# KiCad board Zazu.kicad_pcb
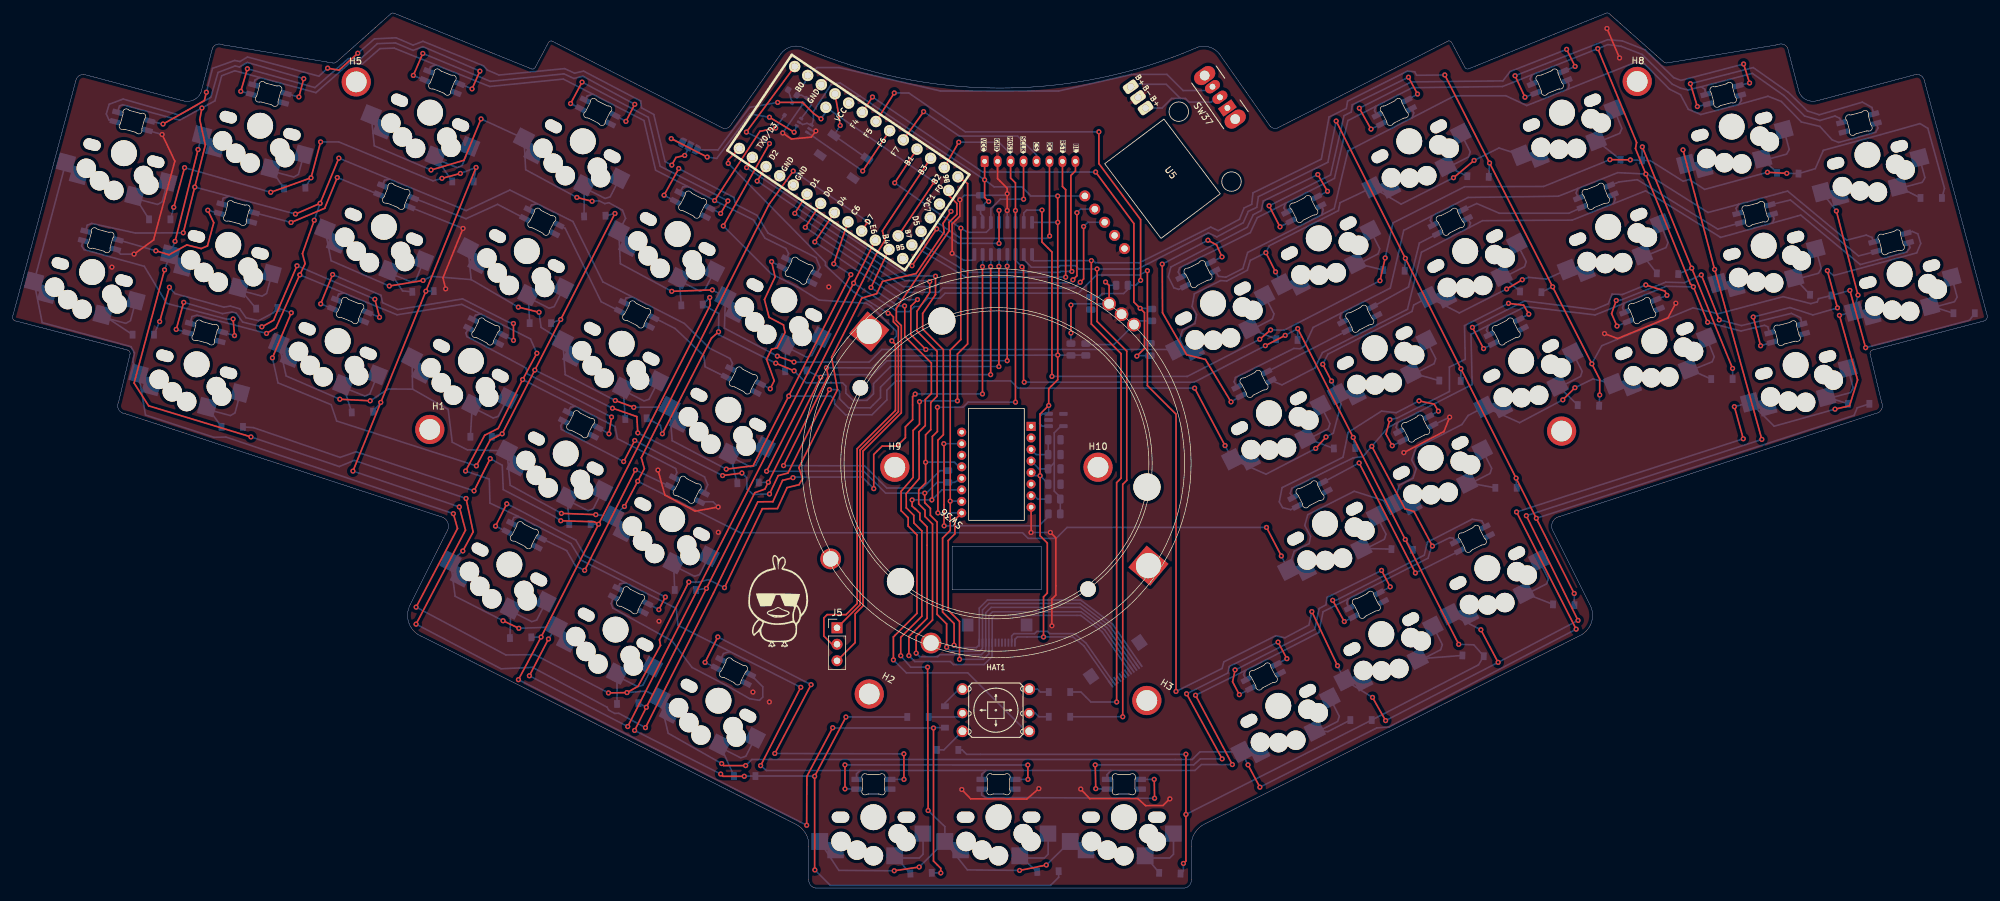
[diagram p0: board, top side]
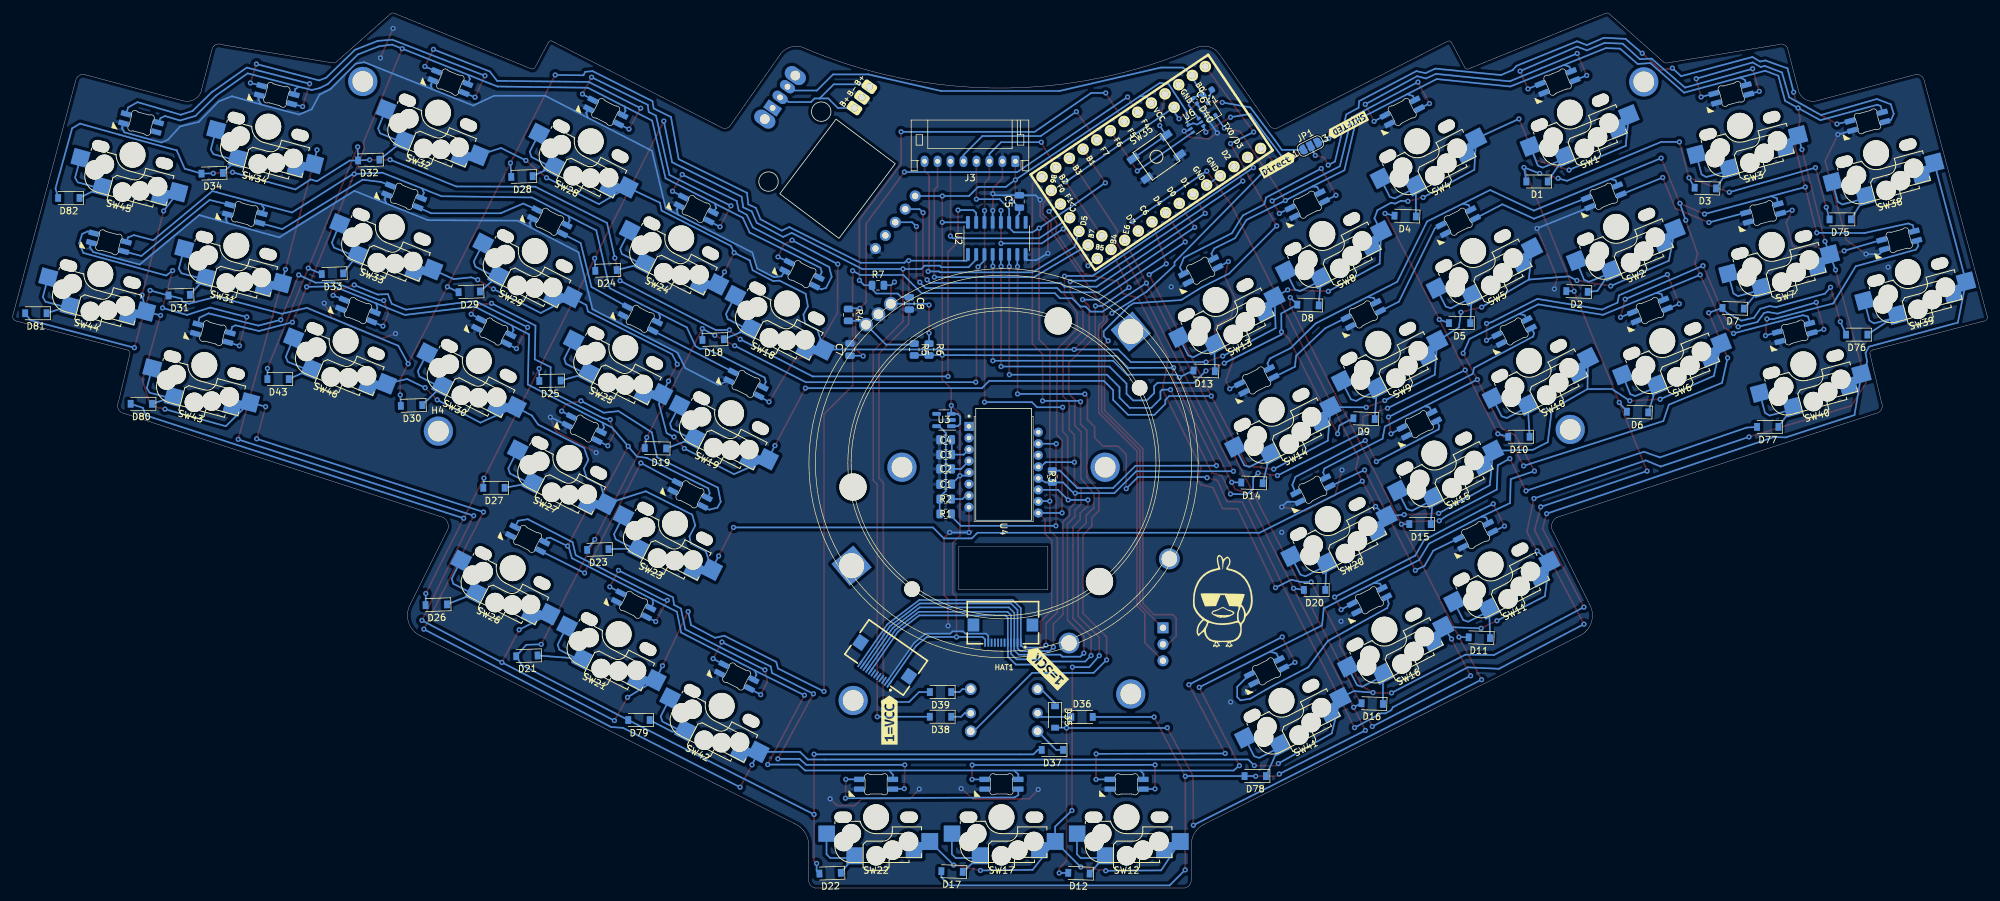
[diagram p1: board, bottom side, seen from below]

Outline 304.41 x 134.96 mm; copper layers: Top, Bottom. Coordinates in mm from the lower left corner of the outline.
Outline path: 0.1,88.39 9.75,124.46 arc(10.19,125.21) 11.02,125.48 26.26,121.41 arc(27.89,121.52) 29.05,122.68 30.83,129.54 arc(31.49,130.11) 32.35,130.05 49.31,127.25 arc(49.67,127.25) 49.98,127.43 58.31,134.82 arc(58.57,134.94) 58.85,134.9 80.03,126.31 arc(80.35,126.33) 80.58,126.57 82.61,130.38 arc(82.82,130.59) 83.12,130.63 109.54,117.17 arc(110.08,117.16) 110.55,117.42 118.43,128.63 arc(119.9,129.71) 121.73,129.69 arc(152.23,123.37) 182.73,129.69 arc(184.54,129.68) 186.03,128.64 193.9,117.44 arc(194.38,117.18) 194.92,117.18 221.33,130.64 arc(221.63,130.6) 221.84,130.39 223.87,126.58 arc(224.1,126.35) 224.43,126.33 245.61,134.91 arc(245.89,134.95) 246.14,134.83 254.47,127.44 arc(254.79,127.26) 255.15,127.26 272.1,130.06 arc(272.97,130.12) 273.63,129.55 275.4,122.69 arc(276.56,121.53) 278.2,121.42 293.44,125.49 arc(294.27,125.22) 294.71,124.47 304.36,88.4 arc(304.32,87.8) 303.83,87.44 286.79,82.99 arc(286.39,82.72) 286.37,82.25 288.1,74.94 arc(288.08,73.78) 287.09,73.16 238.06,57.16 arc(237.29,56.13) 237.56,54.88 243.15,43.7 arc(243.37,40.93) 241.49,38.87 183.84,9.92 arc(182.22,8.46) 181.71,6.35 181.71,1.27 arc(181.44,0.44) 180.69,0 123.77,0 arc(123.01,0.44) 122.75,1.27 122.75,6.35 arc(122.23,8.46) 120.62,9.91 62.96,38.86 arc(61.09,40.92) 61.31,43.69 66.9,54.86 arc(67.17,56.12) 66.39,57.15 17.37,73.15 arc(16.38,73.77) 16.35,74.93 18.09,82.23 arc(18.06,82.71) 17.67,82.98 0.62,87.42 arc(0.08,87.75) 0.1,88.39 ; 144.84,52.69 158.56,52.69 158.56,45.99 144.84,45.99 144.84,52.69

## Placement (name value [footprint] x y rotation side)
C1  0.1uF  [C_0805_2012Metric]  160.6 62.27 0 bottom
C2  1uF  [C_0805_2012Metric]  160.6 64.64 0 bottom
C3  4.7uF  [C_0805_2012Metric]  160.6 66.84 0 bottom
C4  0.1uF  [C_0805_2012Metric]  160.6 69.13 180 bottom
C5  0.1uF  [C_0805_2012Metric]  149.23 105.88 90 bottom
C6  4u7  [C_0402_1005Metric]  122.14 121.41 238 bottom
C7  0.1uF  [C_0805_2012Metric]  175.35 83.05 90 bottom
C8  0.1uF  [C_0805_2012Metric]  166.2 90.16 270 bottom
D1  1N4148  [D_SOD-123]  69.44 108.97 0 bottom
D2  1N4148  [D_SOD-123]  63.28 92 2 bottom
D3  1N4148  [D_SOD-123]  43.5 107.95 2 bottom
D4  1N4148  [D_SOD-123]  89.76 103.63 2 bottom
D5  1N4148  [D_SOD-123]  81.38 87.12 0 bottom
D6  1N4148  [D_SOD-123]  53.94 73.41 2 bottom
D7  1N4148  [D_SOD-123]  39.21 89.41 2 bottom
D8  1N4148  [D_SOD-123]  104.74 89.92 2 bottom
D9  1N4148  [D_SOD-123]  96.11 72.39 2 bottom
D10  1N4148  [D_SOD-123]  72.23 69.6 0 bottom
D11  1N4148  [D_SOD-123]  78.33 38.61 2 bottom
D12  1N4148  [D_SOD-123]  140.05 2.29 2 bottom
D13  1N4148  [D_SOD-123]  120.75 79.76 2 bottom
D14  1N4148  [D_SOD-123]  113.38 62.48 2 bottom
D15  1N4148  [D_SOD-123]  87.47 56.13 0 bottom
D16  1N4148  [D_SOD-123]  94.84 28.45 2 bottom
D17  1N4148  [D_SOD-123]  159.61 2.54 2 bottom
D18  1N4148  [D_SOD-123]  196.44 84.58 358 bottom
D19  1N4148  [D_SOD-123]  205.33 67.82 1 bottom
D20  1N4148  [D_SOD-123]  103.73 45.97 0 bottom
D21  1N4148  [D_SOD-123]  225.14 35.81 358 bottom
D22  1N4148  [D_SOD-123]  178.4 2.29 358 bottom
D23  1N4148  [D_SOD-123]  214.21 52.21 358 bottom
D24  1N4148  [D_SOD-123]  212.95 95.25 358 bottom
D25  1N4148  [D_SOD-123]  221.58 78.23 359 bottom
D26  1N4148  [D_SOD-123]  239.11 43.69 358 bottom
D27  1N4148  [D_SOD-123]  230.22 61.72 0 bottom
D28  1N4148  [D_SOD-123]  225.9 109.73 358 bottom
D29  1N4148  [D_SOD-123]  234.03 91.95 358 bottom
D30  1N4148  [D_SOD-123]  242.92 74.42 358 bottom
D31  1N4148  [D_SOD-123]  278.73 91.44 358 bottom
D32  1N4148  [D_SOD-123]  249.52 112.27 358 bottom
D33  1N4148  [D_SOD-123]  255.11 94.74 358 bottom
D34  1N4148  [D_SOD-123]  273.65 110.24 358 bottom
D35  1N4148  [D_SOD-123]  143.73 26.38 270 bottom
D36  1N4148  [D_SOD-123]  139.58 26.38 180 bottom
D37  1N4148  [D_SOD-123]  144.15 21.3 0 bottom
D38  1N4148  [D_SOD-123]  161.39 26.42 0 bottom
D39  1N4148  [D_SOD-123]  161.39 30.23 0 bottom
D40  B5817WS  [D_SOD-323]  119.6 120.14 58 bottom
D41  SK6812MINI-E  [MX_SK6812MINI-E_REV]  92.96 39.85 153 top
D42  SK6812MINI-E  [MX_SK6812MINI-E_REV]  274.86 80.66 195 top
D43  1N4148  [D_SOD-123]  263.49 78.49 0 bottom
D44  SK6812MINI-E  [MX_SK6812MINI-E_REV]  193.68 73.22 207 top
D45  SK6812MINI-E  [MX_SK6812MINI-E_REV]  211 39.15 207 top
D46  SK6812MINI-E  [MX_SK6812MINI-E_REV]  17.18 113.33 165 top
D47  SK6812MINI-E  [MX_SK6812MINI-E_REV]  110.35 73.75 153 top
D48  SK6812MINI-E  [MX_SK6812MINI-E_REV]  28.4 80.77 165 top
D49  SK6812MINI-E  [MX_SK6812MINI-E_REV]  290.89 94.68 195 top
D50  SK6812MINI-E  [MX_SK6812MINI-E_REV]  185.05 90.15 207 top
D51  SK6812MINI-E  [MX_SK6812MINI-E_REV]  227.34 49.33 207 top
D52  SK6812MINI-E  [MX_SK6812MINI-E_REV]  108.83 28.89 153 top
D53  SK6812MINI-E  [MX_SK6812MINI-E_REV]  38.17 117.56 165 top
D54  SK6812MINI-E  [MX_SK6812MINI-E_REV]  93.91 83.93 153 top
D55  SK6812MINI-E  [MX_SK6812MINI-E_REV]  50.13 84.35 158 top
D56  SK6812MINI-E  [MX_SK6812MINI-E_REV]  269.93 99.06 195 top
D57  SK6812MINI-E  [MX_SK6812MINI-E_REV]  201.35 100.19 207 top
D58  SK6812MINI-E  [MX_SK6812MINI-E_REV]  202.31 56.19 207 top
D59  SK6812MINI-E  [MX_SK6812MINI-E_REV]  132.71 10.92 180 top
D60  SK6812MINI-E  [MX_SK6812MINI-E_REV]  64.37 119.58 158 top
D61  SK6812MINI-E  [MX_SK6812MINI-E_REV]  79.29 98.23 153 top
D62  SK6812MINI-E  [MX_SK6812MINI-E_REV]  70.66 81.3 153 top
D63  SK6812MINI-E  [MX_SK6812MINI-E_REV]  245.97 101.96 202 top
D64  SK6812MINI-E  [MX_SK6812MINI-E_REV]  215.3 115.16 207 top
D65  SK6812MINI-E  [MX_SK6812MINI-E_REV]  218.6 66.33 207 top
D66  SK6812MINI-E  [MX_SK6812MINI-E_REV]  151.99 10.93 180 top
D67  SK6812MINI-E  [MX_SK6812MINI-E_REV]  87.91 115.16 153 top
D68  SK6812MINI-E  [MX_SK6812MINI-E_REV]  57.25 101.97 158 top
D69  SK6812MINI-E  [MX_SK6812MINI-E_REV]  85.28 67.01 153 top
D70  SK6812MINI-E  [MX_SK6812MINI-E_REV]  223.93 98.23 207 top
D71  SK6812MINI-E  [MX_SK6812MINI-E_REV]  238.85 119.58 202 top
D72  SK6812MINI-E  [MX_SK6812MINI-E_REV]  232.55 81.3 207 top
D73  SK6812MINI-E  [MX_SK6812MINI-E_REV]  171.32 10.92 180 top
D74  SK6812MINI-E  [MX_SK6812MINI-E_REV]  102.53 100.86 153 top
D75  1N4148  [D_SOD-123]  22.7 103.12 0 bottom
D76  1N4148  [D_SOD-123]  20.16 85.34 0 bottom
D77  1N4148  [D_SOD-123]  33.88 71.12 0 bottom
D78  1N4148  [D_SOD-123]  112.87 17.27 0 bottom
D79  1N4148  [D_SOD-123]  207.87 25.91 0 bottom
D80  1N4148  [D_SOD-123]  284.58 74.68 0 bottom
D81  1N4148  [D_SOD-123]  300.83 88.65 0 bottom
D82  1N4148  [D_SOD-123]  295.75 106.43 0 bottom
D83  SK6812MINI-E  [MX_SK6812MINI-E_REV]  33.26 99.19 165 top
D84  SK6812MINI-E  [MX_SK6812MINI-E_REV]  101.69 56.89 153 top
D85  SK6812MINI-E  [MX_SK6812MINI-E_REV]  76.59 49.89 153 top
D86  SK6812MINI-E  [MX_SK6812MINI-E_REV]  209.98 83.26 207 top
D87  SK6812MINI-E  [MX_SK6812MINI-E_REV]  265.01 117.42 195 top
D88  SK6812MINI-E  [MX_SK6812MINI-E_REV]  253.08 84.35 202 top
D89  SK6812MINI-E  [MX_SK6812MINI-E_REV]  195.12 28.1 207 top
D90  SK6812MINI-E  [MX_SK6812MINI-E_REV]  118.97 90.68 153 top
D91  SK6812MINI-E  [MX_SK6812MINI-E_REV]  12.28 95 165 top
D92  SK6812MINI-E  [MX_SK6812MINI-E_REV]  285.93 113.09 195 top
F1  500mA  [Fuse_0603_1608Metric]  120.24 122.68 328 bottom
G1  -  [LOGO]  117.95 42.93 0 top
G***  -  [LOGO]  117.95 42.93 180 bottom
H1  MountingHole_Pad  [MountingHole_M3]  64.32 70.72 1 top
H2  MountingHole_Pad  [MountingHole_M3]  132.06 29.93 331 top
H3  MountingHole_Pad  [MountingHole_M3#2]  174.9 29.01 329 top
H4  MountingHole_Pad  [MountingHole_M3]  238.78 70.47 358 top
H5  MountingHole_Pad  [MountingHole_M3]  52.99 124.33 2 top
H8  MountingHole_Pad  [MountingHole_M3]  250.44 124.39 358 top
H9  MountingHole_Pad  [MountingHole_M3]  136.01 64.9 0 top
H10  MountingHole_Pad  [MountingHole_M3]  167.33 64.9 0 top
HAT1  5Way-Tactile_K1-1506DN-01  [5Way-non-reverse]  151.58 27.42 0 top
J1  Conn_01x12_Female  [FPC-SMD_FPC05012-09200-.5mm-rev]  170.76 34.15 35 bottom
J2  Conn_01x12_Female  [FPC-SMD_FPC05012-09200-.5mm-rev]  151.77 39.2 0 bottom
J3  Conn_01x08_Female  [JST_PH_S8B-PH-K_1x08_P2.00mm_Horizontal]  149.85 112.07 0 bottom
J4  Conn_01x08_Female  [3JST_BAT]  173.51 121.93 125 top
J5  Conn_01x03_Female  [PinHeader_1x03_P2.54mm_Vertical]  127.1 40.13 0 top
JP1  SolderJumper_3_Open  [SolderJumper-3_P1.3mm_Open_RoundedPad1.0x1.5mm_NumberLabels]  104.36 114.43 153 bottom
kibuzzard-63B827BA  G***  [kibuzzard-63B827BA]  98.65 117.6 332 bottom
kibuzzard-63B8279E  G***  [kibuzzard-63B8279E]  109.39 111.6 151 bottom
kibuzzard-638CDE9C  G***  [kibuzzard-638CDE9C]  169.26 25.91 90 bottom
kibuzzard-638CDF14  G***  [kibuzzard-638CDF14]  145.16 34 45 bottom
kibuzzard-639A2BF5  G***  [kibuzzard-639A2BF5]  149.7 114.55 270 top
kibuzzard-639A2C9D  G***  [kibuzzard-639A2C9D]  157.83 114.3 270 top
kibuzzard-639A2C18  G***  [kibuzzard-639A2C18]  151.73 114.55 270 top
kibuzzard-639A2C87  G***  [kibuzzard-639A2C87]  153.77 114.55 270 top
kibuzzard-639A2C93  G***  [kibuzzard-639A2C93]  155.8 114.55 270 top
kibuzzard-639A2CA8  G***  [kibuzzard-639A2CA8]  159.86 114.3 270 top
kibuzzard-639A2CB2  G***  [kibuzzard-639A2CB2]  161.89 114.3 270 top
kibuzzard-639A2CBD  G***  [kibuzzard-639A2CBD]  163.93 114.05 270 top
R1  39  [R_0805_2012Metric]  160.6 57.7 180 bottom
R2  10K  [R_0805_2012Metric]  160.6 59.99 0 bottom
R3  10K  [R_0805_2012Metric]  144.15 63.47 90 bottom
R4  10K  [R_0805_2012Metric]  175.6 88.38 270 bottom
R5  10K  [R_0805_2012Metric]  165.44 83.05 270 bottom
R6  10K  [R_0805_2012Metric]  163.15 83.05 270 bottom
R7  10K  [R_0805_2012Metric]  171.03 92.96 180 bottom
SW1  SW_Push  [Kailh_hotswap_only_MX-CHOC]  64.37 119.58 158 top
SW2  SW_Push  [Kailh_hotswap_only_MX-CHOC]  57.25 101.97 158 top
SW3  SW_Push  [Kailh_hotswap_only_MX-CHOC]  38.18 117.56 165 top
SW4  SW_Push  [Kailh_hotswap_only_MX-CHOC]  87.92 115.16 153 top
SW5  SW_Push  [Kailh_hotswap_only_MX-CHOC]  79.29 98.23 153 top
SW6  SW_Push  [Kailh_hotswap_only_MX-CHOC]  50.13 84.35 158 top
SW7  SW_Push  [Kailh_hotswap_only_MX-CHOC]  33.27 99.19 165 top
SW8  SW_Push  [Kailh_hotswap_only_MX-CHOC]  102.54 100.87 153 top
SW9  SW_Push  [Kailh_hotswap_only_MX-CHOC]  93.91 83.94 153 top
SW10  SW_Push  [Kailh_hotswap_only_MX-CHOC]  70.66 81.3 153 top
SW11  SW_Push  [Kailh_hotswap_only_MX-CHOC]  76.6 49.89 153 top
SW12  SW_Push  [Kailh_hotswap_only_MX-CHOC]  132.71 10.93 180 top
SW13  SW_Push  [Kailh_hotswap_only_MX-CHOC]  118.97 90.68 153 top
SW14  SW_Push  [Kailh_hotswap_only_MX-CHOC]  110.35 73.75 153 top
SW15  SW_Push  [Kailh_hotswap_only_MX-CHOC]  85.28 67.01 153 top
SW16  SW_Push  [Kailh_hotswap_only_MX-CHOC]  92.97 39.86 153 top
SW17  SW_Push  [Kailh_hotswap_only_MX-CHOC]  151.99 10.93 180 top
SW18  SW_Push  [Kailh_hotswap_only_MX-CHOC]  185.05 90.15 207 top
SW19  SW_Push  [Kailh_hotswap_only_MX-CHOC]  193.68 73.23 207 top
SW20  SW_Push  [Kailh_hotswap_only_MX-CHOC]  101.69 56.89 153 top
SW21  SW_Push  [Kailh_hotswap_only_MX-CHOC]  211 39.16 207 top
SW22  SW_Push  [Kailh_hotswap_only_MX-CHOC]  171.32 10.93 180 top
SW23  SW_Push  [Kailh_hotswap_only_MX-CHOC]  202.31 56.19 207 top
SW24  SW_Push  [Kailh_hotswap_only_MX-CHOC]  201.35 100.2 207 top
SW25  SW_Push  [Kailh_hotswap_only_MX-CHOC]  209.98 83.27 207 top
SW26  SW_Push  [Kailh_hotswap_only_MX-CHOC]  227.34 49.33 207 top
SW27  SW_Push  [Kailh_hotswap_only_MX-CHOC]  218.6 66.34 207 top
SW28  SW_Push  [Kailh_hotswap_only_MX-CHOC]  215.3 115.16 207 top
SW29  SW_Push  [Kailh_hotswap_only_MX-CHOC]  223.93 98.23 207 top
SW30  SW_Push  [Kailh_hotswap_only_MX-CHOC]  232.55 81.3 207 top
SW31  SW_Push  [Kailh_hotswap_only_MX-CHOC]  269.94 99.07 195 top
SW32  SW_Push  [Kailh_hotswap_only_MX-CHOC#2]  238.85 119.58 202 top
SW33  SW_Push  [Kailh_hotswap_only_MX-CHOC#2]  245.97 101.97 202 top
SW34  SW_Push  [Kailh_hotswap_only_MX-CHOC]  265.01 117.43 195 top
SW35  SW_Push  [SKQG-1155865]  128.1 112.78 325 bottom
SW36  RotaryEncoder  [PERS56v2]  151.67 65.52 140 top
SW37  SW_SPDT  [SW_CuK_OS102011MA1QN1_SPDT_Angled]  187.27 120.3 125 top
SW38  SW_Push  [Kailh_hotswap_only_MX-CHOC]  17.18 113.33 165 top
SW39  SW_Push  [Kailh_hotswap_only_MX-CHOC]  12.28 95 165 top
SW40  SW_Push  [Kailh_hotswap_only_MX-CHOC]  28.4 80.77 165 top
SW41  SW_Push  [Kailh_hotswap_only_MX-CHOC]  108.83 28.89 153 top
SW42  SW_Push  [Kailh_hotswap_only_MX-CHOC]  195.12 28.1 207 top
SW43  SW_Push  [Kailh_hotswap_only_MX-CHOC]  274.86 80.66 195 top
SW44  SW_Push  [Kailh_hotswap_only_MX-CHOC]  290.89 94.68 195 top
SW45  SW_Push  [Kailh_hotswap_only_MX-CHOC]  285.93 113.09 195 top
SW46  SW_Push  [Kailh_hotswap_only_MX-CHOC#2]  253.08 84.35 202 top
U1  Elite-C  [Helios-SeaPicro]  129.89 111.19 326 top
U2  74HC595  [SOIC-16_3.9x9.9mm_P1.27mm]  152.72 100.18 90 bottom
U3  TCR2EF19,LM(CT  [SOT-23-5]  160.85 72.18 0 bottom
U4  -  [PMW3360DM-T2QU]  151.66 65.53 270 bottom
U5  DRV2605L  [Pimoroni Haptic Buzz DRV2605L Driver]  176.66 108.93 307 top
U6  74LVC1T45  [SOT-363_SC-70-6]  122.03 117.6 148 bottom

## Library data of the parts
C1 C4 C5 C7 C8 = -: LCSC: C77456; manf#: 0805B104K101CT
C2 = -: LCSC: C366879; manf#: 0805B105K100CT
C3 = -: LCSC: C303940; manf#: 0805X475K250CT
C6 = -: JLC Basic: Y; LCSC: C23733; MPN : CL05A475MP5NRNC; Manufacturer: Samsung Electro-Mechanics; Substitute: Y
D1-D39 D43 D75-D82 = -: LCSC: C8598
D40 = -: JLC Basic: N; LCSC: C122854; Manufacturer: Shikues; Substitute: N
D41 D42 D44-D74 D83-D92 = -: Field4: 1
F1 = -: JLC Basic: N; LCSC: C210357; MPN : MF-FSMF050X-2; Manufacturer: BOURNS; Substitute: Y
J1 J2 = -: LCSC: C479750
R1 = -: LCSC: C514993; manf#: SG73P2ATTD39R0F
R2-R7 = -: LCSC: C406725; manf#: ARG05BTC1002
SW35 = -: LCSC: C221856
SW37 = -: LCSC(not included): C226259
U2 = -: LCSC: C10092
U3 = -: LCSC: C146366
U6 = -: JLC Basic: N; LCSC: C139353; MPN : SN74LVC1T45DRLR; Manufacturer: Texas Instruments; Substitute: N

## Footprints (pads in the part's own frame, mm; a bottom-side part is the same pattern mirrored in y, then rotated)
3JST_BAT
  rrect 1.5x2.25 hole 1.092: 1(2,0) 2(0,0) 3(-2,0)
5Way-non-reverse
  round 1.8 hole 1.2: 1(-5.15,3.25) 3(-5.15,-3.25) 4(5.15,-3.25) 6(5.15,3.25)
  round 1.6 hole 1: 2(-5.15,-0.45) 5(5.15,-0.45)
C_0402_1005Metric
  rrect 0.56x0.62 smd: 1(-0.48,0) 2(0.48,0)
C_0805_2012Metric
  rrect 1x1.45 smd: 1(-0.95,0) 2(0.95,0)
D_SOD-123
  rect 0.9x1.2 smd: 1(-1.65,0) 2(1.65,0)
D_SOD-323
  rrect 0.65x0.6 smd: 1(-1.125,0) 2(1.125,0)
FPC-SMD_FPC05012-09200-.5mm-rev
  rect 0.28x1.25 smd: 1(-2.75,1.362) 2(-2.25,1.362) 3(-1.75,1.362) 4(-1.25,1.362) 5(-0.75,1.362) 6(-0.25,1.362) 7(0.25,1.362) 8(0.75,1.362) 9(1.25,1.362) 10(1.75,1.362) 11(2.25,1.362) 12(2.75,1.362)
  rect 1.8x2 smd: 13(4.55,-1.362) 14(-4.55,-1.362)
Fuse_0603_1608Metric
  rrect 0.875x0.95 smd: 1(-0.787,0) 2(0.787,0)
Helios-SeaPicro
  round 1.753 hole 1.092: 1(-13.97,-7.62) 2(-11.43,-7.62) 3(-8.89,-7.62) 4(-6.35,-7.62) 5(-3.81,-7.62) 6(-1.27,-7.62) 7(1.27,-7.62) 8(3.81,-7.62) 9(6.35,-7.62) 10(8.89,-7.62) 11(11.43,-7.62) 12(13.97,-7.6) 13(13.97,7.62) 14(11.43,7.62) 15(8.89,7.62) 16(6.35,7.62) 17(3.81,7.62) 18(1.27,7.62) 19(-1.27,7.62) 20(-3.81,7.62) 21(-6.35,7.62) 22(-8.89,7.62) 23(-11.43,7.62) 24(-13.97,7.62) 25(13.97,-5.08) 26(13.97,-2.54) 27(13.97,0) 28(13.97,2.54) 29(13.97,5.08) 30(-8.89,5.12) 30(11.43,-5.08) 31(-16.4,-7.6) 32(-16.4,7.64)
JST_PH_S8B-PH-K_1x08_P2.00mm_Horizontal
  rrect 1.2x1.75 hole 0.75: 1(0,0)
  oval 1.2x1.75 hole 0.75: 2(2,0) 3(4,0) 4(6,0) 5(8,0) 6(10,0) 7(12,0) 8(14,0)
Kailh_hotswap_only_MX-CHOC
  oval 2.702x1.702 hole 2.702x1.702 unplated: (-5.08,0.004) (5.08,0)
  round 3 hole 3 unplated: (-4.998,3.753) (-3.81,2.54) (0.002,5.953) (2.54,5.08) (5,3.75)
  round 3.988 hole 3.988 unplated: (0.002,0.003)
  rect 2.55x2.5 smd far side: 1(5.844,5.083) 2(-7.62,2.54)
  rect 2.6x2.6 smd far side: 1(8.275,3.75) 2(-3.273,5.953)
  rrect 1x0.25 smd far side rot 45: 2(-8.343,5.558)
  rect 0.25x4 smd far side: 2(-8.026,2.73)
  rect 3x0.25 smd far side: 2(-6.6,6.68)
Kailh_hotswap_only_MX-CHOC#2
  oval 2.702x1.702 hole 2.702x1.702 unplated: (-5.08,0.004) (5.08,0)
  round 3 hole 3 unplated: (-4.998,3.753) (-3.81,2.54) (0.002,5.953) (2.54,5.08) (5,3.75)
  round 3.988 hole 3.988 unplated: (0.002,0.003)
  rect 2.55x2.5 smd far side: 1(5.844,5.083) 2(-7.62,2.54)
  rect 2.6x2.6 smd far side: 1(8.275,3.75) 2(-3.273,5.953)
  rrect 1x0.25 smd far side rot 45: 2(-8.343,5.558)
  rect 0.25x4 smd far side: 2(-8.026,2.73)
  rect 3x0.25 smd far side: 2(-6.6,6.68)
MountingHole_M3
  round 4.5 hole 3.2: 1(0,0)
MountingHole_M3#2
  round 4.5 hole 3.2: 1(0,-0.1)
MX_SK6812MINI-E_REV
  rrect 1.6x0.82 smd far side: 1(2.6,-5.83) 2(2.6,-4.33) 3(-2.6,-4.33) 4(-2.6,-5.83)
PERS56v2
  round 2.4 hole 2.4 unplated: (-23.29,5.806) (23.544,4.573)
  round 4.2 hole 4.2 unplated: (-20.135,-12.098) (-0.4,23.485) (20.549,-11.39)
  round 3.2 hole 2.4: (-10.094,27.733) (10.092,27.733)
  round 2.1 hole 1.5: A(-2.5,-30) B(2.5,-30) C(0,-30)
  rect 4.4x4.4 hole 3.8x3.9: MP(-28.095,-2.953) MP(28.071,-2.951)
Pimoroni Haptic Buzz DRV2605L Driver
  round 1.7 hole 1: 1(-5.08,-10.4)
  oval 1.7x1.7 hole 1: 2(-2.54,-10.4) 3(0,-10.4) 4(2.54,-10.4) 5(5.08,-10.4)
PinHeader_1x03_P2.54mm_Vertical
  rect 1.7x1.7 hole 1: 1(0,0)
  oval 1.7x1.7 hole 1: 2(0,-2.54) 3(0,-5.08)
PMW3360DM-T2QU
  rect 1.4x1.4 hole 0.7: 1(-5.66,-5.35)
  round 1.4 hole 0.7: 2(-3.88,-5.35) 3(-2.1,-5.35) 4(-0.32,-5.35) 5(1.46,-5.35) 6(3.24,-5.35) 7(5.02,-5.35) 8(6.8,-5.35) 9(7.69,5.35) 10(5.91,5.35) 11(4.13,5.35) 12(2.35,5.35) 13(0.57,5.35) 14(-1.21,5.35) 15(-2.99,5.35) 16(-4.77,5.35)
R_0805_2012Metric
  rrect 1.025x1.4 smd: 1(-0.912,0) 2(0.912,0)
SKQG-1155865
  rect 1.8x1.1 smd: 1(-3.1,-1.85) 1(3.1,-1.85) 2(-3.1,1.85) 2(3.1,1.85)
SOIC-16_3.9x9.9mm_P1.27mm
  rrect 1.95x0.6 smd: 1(-2.475,4.445) 2(-2.475,3.175) 3(-2.475,1.905) 4(-2.475,0.635) 5(-2.475,-0.635) 6(-2.475,-1.905) 7(-2.475,-3.175) 8(-2.475,-4.445) 9(2.475,-4.445) 10(2.475,-3.175) 11(2.475,-1.905) 12(2.475,-0.635) 13(2.475,0.635) 14(2.475,1.905) 15(2.475,3.175) 16(2.475,4.445)
SolderJumper-3_P1.3mm_Open_RoundedPad1.0x1.5mm_NumberLabels
  custom 1.05x1.5 smd: 1(-1.3,0) 3(1.3,0)
  rect 1x1.5 smd: 2(0,0)
SOT-23-5
  rrect 1.325x0.6 smd: 1(-1.137,0.95) 2(-1.137,0) 3(-1.137,-0.95) 4(1.137,-0.95) 5(1.137,0.95)
SOT-363_SC-70-6
  rect 0.65x0.4 smd: 1(-0.95,0.65) 2(-0.95,0) 3(-0.95,-0.65) 4(0.95,-0.65) 5(0.95,0) 6(0.95,0.65)
SW_CuK_OS102011MA1QN1_SPDT_Angled
  oval 2.2x3.5 hole 1.5: (-2.1,0) (6.1,0)
  rect 1.5x2.5 hole 0.9: 1(0,0)
  oval 1.5x2.5 hole 0.9: 2(2,0) 3(4,0)

## Nets
GND: C1.2 C2.2 C3.2 C4.1 C5.2 C6.2 C7.2 C8.2 D41.3 D42.3 D44.3 D45.3 D46.3 D47.3 D48.3 D49.3 D50.3 D51.3 D52.3 D53.3 D54.3 D55.3 D56.3 D57.3 D58.3 D59.3 D60.3 D61.3 D62.3 D63.3 D64.3 D65.3 D66.3 D67.3 D68.3 D69.3 D70.3 D71.3 D72.3 D73.3 D74.3 D83.3 D84.3 D85.3 D86.3 D87.3 D88.3 D89.3 D90.3 D91.3 D92.3 J1.2 J2.11 J3.2 J4.2 SW35.2 SW36.C U1.3 U1.4 U1.23 U2.8 U2.13 U3.2 U4.8 U5.5 U6.2
VCC: C1.1 C5.1 J1.1 J2.12 J3.1 R3.2 R5.2 R6.2 U1.21 U2.10 U2.16 U3.1 U3.3 U4.5 U5.1 U6.1 U6.5
VDD: C2.1 R1.1 R2.2 U3.5 U4.4
bat+: J4.1 J4.3 SW37.2
col0: D1.2 D2.2 D3.2 D6.2 D75.2 U2.7
col1: D4.2 D5.2 D7.2 D10.2 D76.2 U2.6
col2: D8.2 D9.2 D11.2 D12.2 D15.2 D35.2 D77.2 U2.5
col3: D13.2 D14.2 D16.2 D17.2 D20.2 D36.2 D78.2 U2.4
col4: D18.2 D19.2 D21.2 D22.2 D23.2 D37.2 D79.2 U2.3
col5: D24.2 D25.2 D26.2 D27.2 D38.2 D80.2 U2.2
col6: D28.2 D29.2 D30.2 D31.2 D39.2 D81.2 U2.1
col7: D32.2 D33.2 D34.2 D43.2 D82.2 U2.15
EncL: C7.1 R4.1 U1.20
EncR: C8.1 R7.1 U1.19
GPIO10: J5.1 U1.31
GPIO11: J5.2 U1.32
GPIO16: J5.3 U1.29
LED_3V3: U1.18 U6.3
LED_5V: JP1.1 U1.30
LED_DO: D46.4 JP1.2
LED_PWR: D40.1 D41.1 D42.1 D44.1 D45.1 D46.1 D47.1 D48.1 D49.1 D50.1 D51.1 D52.1 D53.1 D54.1 D55.1 D56.1 D57.1 D58.1 D59.1 D60.1 D61.1 D62.1 D63.1 D64.1 D65.1 D66.1 D67.1 D68.1 D69.1 D70.1 D71.1 D72.1 D73.1 D74.1 D83.1 D84.1 D85.1 D86.1 D87.1 D88.1 D89.1 D90.1 D91.1 D92.1
LED_SHFT_5V: JP1.3 U6.4
MISO: J1.11 J2.2 R3.1 U1.15 U4.12
MOSI: J1.8 J2.5 J3.3 U1.14 U2.14 U4.11
MOTION: J1.9 J2.4 U1.1 U4.9
NCS: J1.10 J2.3 U1.2 U4.13
RAW: C6.1 F1.2 SW37.3 U1.24 U6.6
RESET: SW35.1 U1.22
row_0: SW1.1 SW4.1 SW8.1 SW13.1 SW18.1 SW24.1 SW28.1 SW32.1 U1.7
row_1: SW2.1 SW5.1 SW9.1 SW14.1 SW19.1 SW25.1 SW29.1 SW33.1 U1.8
row_2: SW6.1 SW10.1 SW15.1 SW20.1 SW23.1 SW27.1 SW30.1 SW46.1 U1.9
row_3: SW3.1 SW7.1 SW11.1 SW16.1 SW21.1 SW26.1 SW31.1 SW34.1 U1.10
row_4: SW12.1 SW17.1 SW22.1 U1.11
row_5: HAT1.4 U1.13
row_6: SW38.1 SW39.1 SW40.1 SW41.1 SW42.1 SW43.1 SW44.1 SW45.1 U1.28
SCL: U1.6 U5.3
SCLK: J1.12 J2.1 J3.4 U1.16 U2.11 U4.10
SDA: U1.5 U5.2
SR_CS: U1.12 U2.12
TFT_BL: J3.8 U1.26
TFT_CS: J3.5 U1.17
TFT_DC: J3.6 U1.27
TFT_RST: J3.7 U1.25
Net-(C3-Pad1): C3.1 C4.2 U4.3
Net-(D1-Pad1): D1.1 SW1.2
Net-(D2-Pad1): D2.1 SW2.2
Net-(D3-Pad1): D3.1 SW3.2
Net-(D4-Pad1): D4.1 SW4.2
Net-(D5-Pad1): D5.1 SW5.2
Net-(D6-Pad1): D6.1 SW6.2
Net-(D7-Pad1): D7.1 SW7.2
Net-(D8-Pad1): D8.1 SW8.2
Net-(D9-Pad1): D9.1 SW9.2
Net-(D10-Pad1): D10.1 SW10.2
Net-(D11-Pad1): D11.1 SW11.2
Net-(D12-Pad1): D12.1 SW12.2
Net-(D13-Pad1): D13.1 SW13.2
Net-(D14-Pad1): D14.1 SW14.2
Net-(D15-Pad1): D15.1 SW15.2
Net-(D16-Pad1): D16.1 SW16.2
Net-(D17-Pad1): D17.1 SW17.2
Net-(D18-Pad1): D18.1 SW18.2
Net-(D19-Pad1): D19.1 SW19.2
Net-(D20-Pad1): D20.1 SW20.2
Net-(D21-Pad1): D21.1 SW21.2
Net-(D22-Pad1): D22.1 SW22.2
Net-(D23-Pad1): D23.1 SW23.2
Net-(D24-Pad1): D24.1 SW24.2
Net-(D25-Pad1): D25.1 SW25.2
Net-(D26-Pad1): D26.1 SW26.2
Net-(D27-Pad1): D27.1 SW27.2
Net-(D28-Pad1): D28.1 SW28.2
Net-(D29-Pad1): D29.1 SW29.2
Net-(D30-Pad1): D30.1 SW30.2
Net-(D31-Pad1): D31.1 SW31.2
Net-(D32-Pad1): D32.1 SW32.2
Net-(D33-Pad1): D33.1 SW33.2
Net-(D34-Pad1): D34.1 SW34.2
Net-(D35-Pad1): D35.1 HAT1.1
Net-(D36-Pad1): D36.1 HAT1.2
Net-(D37-Pad1): D37.1 HAT1.3
Net-(D38-Pad1): D38.1 HAT1.5
Net-(D39-Pad1): D39.1 HAT1.6
Net-(D40-Pad2): D40.2 F1.1
Net-(D41-Pad2): D41.2 D52.4
Net-(D41-Pad4): D41.4 D85.2
Net-(D42-Pad2): D42.2 D49.4
Net-(D42-Pad4): D42.4 D88.2
Net-(D43-Pad1): D43.1 SW46.2
Net-(D44-Pad2): D44.2 D50.4
Net-(D44-Pad4): D44.4 D86.2